# KiCad board analog_i.kicad_pcb (continued)
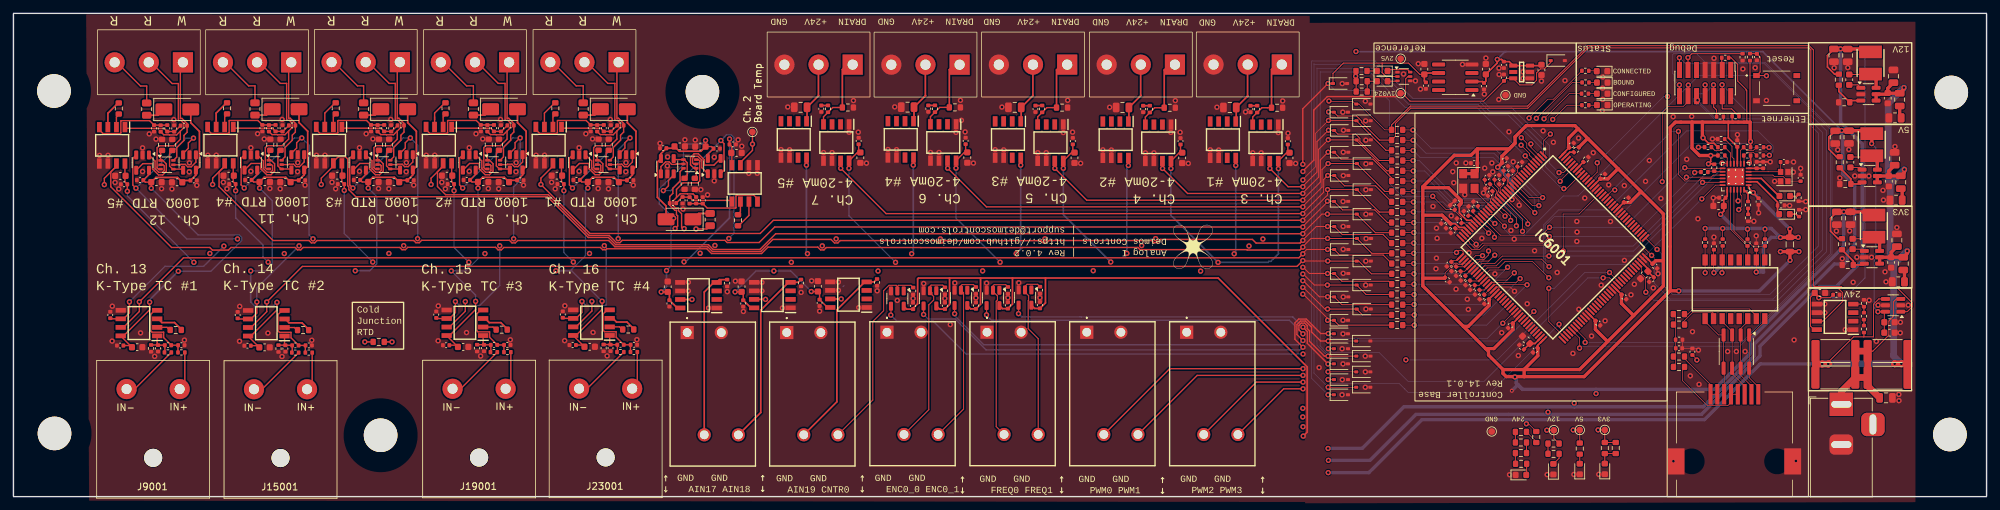
[diagram p0: board, top side]
## Placement (name value [footprint] x y rotation side) (continued)
R7005  33R  [R_0402_1005Metric]  252.12 52.08 0 top
R7006  10k  [R_0402_1005Metric]  254.1 52.07 0 top
R7007  33R  [R_0402_1005Metric]  251.59 48.37 180 top
R7008  1.5k  [R_0402_1005Metric]  254.11 50.83 180 top
R7009  10k  [R_0402_1005Metric]  253.05 49.01 270 top
R7010  10k  [R_0402_1005Metric]  254.08 53.29 0 top
R7011  49.9  [R_0402_1005Metric]  251.7 37.86 90 top
R7012  10k  [R_0402_1005Metric]  262.98 43.39 0 top
R7013  49.9  [R_0402_1005Metric]  254.3 37.86 90 top
R7014  12k  [R_0402_1005Metric]  258.08 43.46 90 top
R7015  1.5k  [R_0402_1005Metric]  265.68 42.23 270 top
R7016  49.9  [R_0402_1005Metric]  258 37.86 90 top
R7017  100R  [R_0402_1005Metric]  258.1 41.54 90 top
R7018  49.9  [R_0402_1005Metric]  260.6 37.86 90 top
R7019  10k  [R_0402_1005Metric]  265.6 44.52 270 top
R7020  75  [R_0603_1608Metric]  247.81 25.63 180 top
R7021  75  [R_0603_1608Metric]  247.79 27.19 0 top
R7022  75  [R_0603_1608Metric]  247.81 19.32 0 top
R7023  75  [R_0603_1608Metric]  247.8 20.87 180 top
R7024  1M  [R_0402_1005Metric]  247.81 23.38 0 top
R7025  10k  [R_0603_1608Metric]  224.29 6.49 0 top
R7026  10k  [R_0603_1608Metric]  224.29 8.06 180 top
R7027  10k  [R_0603_1608Metric]  229.15 7.9 0 top
R7028  10k  [R_0603_1608Metric]  224.29 9.64 0 top
R7029  10k  [R_0603_1608Metric]  200.57 63.42 180 top
R7030  10k  [R_0603_1608Metric]  200.6 61.9 180 top
R7031  10k  [R_0603_1608Metric]  236.77 7.24 90 top
R7032  10k  [R_0603_1608Metric]  233.05 7.15 90 top
R7033  10k  [R_0603_1608Metric]  224.32 4.89 180 top
R7034  10k  [R_0603_1608Metric]  229.15 6.37 180 top
R7035  10k  [R_0603_1608Metric]  200.6 60.35 180 top
R7036  10k  [R_0603_1608Metric]  238.4 7.24 90 top
R7037  10k  [R_0603_1608Metric]  226.58 8.88 90 top
R8001  MRF6432(2512)LR030FTS 0.030 1%  [R_2512_6332Metric]  271.07 17.75 0 top
R8002  MRF6432(2512)LR030FTS 0.030 1%  [R_2512_6332Metric]  278.85 21.67 180 top
R8003  MRF6432(2512)LR030FTS 0.030 1%  [R_2512_6332Metric]  271.08 21.67 0 top
R8004  MRF6432(2512)LR030FTS 0.030 1%  [R_2512_6332Metric]  278.85 17.72 180 top
R8005  1.5k  [R_0402_1005Metric]  275.33 28.81 270 top
R8006  10k  [R_0402_1005Metric]  275.33 24.97 90 top
R8007  10k  [R_0402_1005Metric]  275.33 26.89 270 top
R9001  10  [R_0402_1005Metric]  24.99 21.48 180 top
R9002  10  [R_0402_1005Metric]  22.98 21.48 0 top
R9003  1M  [R_0402_1005Metric]  20.48 22.09 270 top
R9005  RNCF0603TKY2K00 2k 0.01% 5ppm/C  [R_0603_1608Metric]  24.15 24.84 0 top
R10001  22.1k 0603  [R_0603_1608Metric]  272.92 34.52 180 top
R10002  51k 0603  [R_0603_1608Metric]  272.06 37.61 270 top
R10003  1R 0805  [R_0805_2012Metric]  280.45 32 180 top
R11001  200R  [R_0402_1005Metric]  185.05 57.75 270 top
R11002  RNCF0603TKY75R0 75R 0.01% 5ppm/C  [R_0603_1608Metric]  188.01 57.94 180 top
R11003  88.7k 0603  [R_0603_1608Metric]  271.73 49.82 270 top
R11004  22.1k 0603  [R_0603_1608Metric]  272.55 46.58 180 top
R11005  1R 0805  [R_0805_2012Metric]  280.1 44.17 180 top
R12001  243k 0603  [R_0603_1608Metric]  271.59 62.13 270 top
R12002  22.1k 0603  [R_0603_1608Metric]  272.39 58.75 180 top
R12003  1R 0805  [R_0805_2012Metric]  279.95 56.43 180 top
R13002  RNCF0603TKY2K00 2k 0.01% 5ppm/C  [R_0603_1608Metric]  64.28 57.86 90 top
R13003  300  [R_0805_2012Metric]  68.44 57.76 90 top
R13004  10k 1%  [C_0402_1005Metric]  70.52 54.88 270 top
R13005  10k 1%  [C_0402_1005Metric]  73.97 55.31 0 top
R13006  RNCF0603TKW10K0 10k 0.01% 5ppm/C  [R_0603_1608Metric]  70.72 52.44 90 top
R13007  100R 0402  [R_0402_1005Metric]  254.68 65.4 180 top
R13009  RNCF0603TKW10K0 10k 0.01% 5ppm/C  [R_0603_1608Metric]  72.23 52.44 90 top
R14001  200R  [R_0402_1005Metric]  169.08 57.75 270 top
R14002  RNCF0603TKY75R0 75R 0.01% 5ppm/C  [R_0603_1608Metric]  172.04 57.94 180 top
R15001  10  [R_0402_1005Metric]  43.94 21.46 180 top
R15002  10  [R_0402_1005Metric]  41.93 21.46 0 top
R15003  1M  [R_0402_1005Metric]  39.44 22.06 270 top
R15005  RNCF0603TKY2K00 2k 0.01% 5ppm/C  [R_0603_1608Metric]  43.1 24.81 0 top
R17002  RNCF0603TKY2K00 2k 0.01% 5ppm/C  [R_0603_1608Metric]  47.95 57.86 90 top
R17003  300  [R_0805_2012Metric]  52.1 57.76 90 top
R17004  10k 1%  [C_0402_1005Metric]  54.18 54.88 270 top
R17005  10k 1%  [C_0402_1005Metric]  57.63 55.31 0 top
R17006  RNCF0603TKW10K0 10k 0.01% 5ppm/C  [R_0603_1608Metric]  54.38 52.44 90 top
R17009  RNCF0603TKW10K0 10k 0.01% 5ppm/C  [R_0603_1608Metric]  55.9 52.44 90 top
R18001  200R  [R_0402_1005Metric]  153.06 57.77 270 top
R18002  RNCF0603TKY75R0 75R 0.01% 5ppm/C  [R_0603_1608Metric]  156.02 57.97 180 top
R19001  10  [R_0402_1005Metric]  73.49 21.53 180 top
R19002  10  [R_0402_1005Metric]  71.48 21.53 0 top
R19003  1M  [R_0402_1005Metric]  68.98 22.13 270 top
R19005  RNCF0603TKY2K00 2k 0.01% 5ppm/C  [R_0603_1608Metric]  72.65 24.88 0 top
R21002  RNCF0603TKY2K00 2k 0.01% 5ppm/C  [R_0603_1608Metric]  31.79 57.86 90 top
R21003  300  [R_0805_2012Metric]  35.94 57.76 90 top
R21004  10k 1%  [C_0402_1005Metric]  38.02 54.88 270 top
R21005  10k 1%  [C_0402_1005Metric]  41.47 55.31 0 top
R21006  RNCF0603TKW10K0 10k 0.01% 5ppm/C  [R_0603_1608Metric]  38.22 52.44 90 top
R21009  RNCF0603TKW10K0 10k 0.01% 5ppm/C  [R_0603_1608Metric]  39.73 52.44 90 top
R22001  200R  [R_0402_1005Metric]  137.11 57.8 270 top
R22002  RNCF0603TKY75R0 75R 0.01% 5ppm/C  [R_0603_1608Metric]  140.07 58 180 top
R23001  10  [R_0402_1005Metric]  92.31 21.55 180 top
R23002  10  [R_0402_1005Metric]  90.31 21.55 0 top
R23003  1M  [R_0402_1005Metric]  87.81 22.15 270 top
R23005  RNCF0603TKY2K00 2k 0.01% 5ppm/C  [R_0603_1608Metric]  91.47 24.9 0 top
R25002  RNCF0603TKY2K00 2k 0.01% 5ppm/C  [R_0603_1608Metric]  15.68 57.83 90 top
R25003  300  [R_0805_2012Metric]  19.82 57.74 90 top
R25004  10k 1%  [C_0402_1005Metric]  21.91 54.86 270 top
R25005  10k 1%  [C_0402_1005Metric]  25.36 55.28 0 top
R25006  RNCF0603TKW10K0 10k 0.01% 5ppm/C  [R_0603_1608Metric]  22.11 52.41 90 top
R25009  RNCF0603TKW10K0 10k 0.01% 5ppm/C  [R_0603_1608Metric]  23.62 52.41 90 top
R26001  200R  [R_0402_1005Metric]  121.2 57.78 270 top
R26002  RNCF0603TKY75R0 75R 0.01% 5ppm/C  [R_0603_1608Metric]  124.16 57.98 180 top
S6001  TS-1187A-B-A-B  [TS1187ABAB]  262.34 60.86 0 top
T7001  H1102NLT  [SOIC127P940X622-16N]  256.13 30.89 270 top
TP3001  TP_Board_Temp  [TestPoint_Pad_D1.0mm]  109.94 54.34 90 top
TP7001  TestPoint_+12V  [TestPoint_Pad_D1.0mm]  229.2 9.9 90 top
TP7002  TestPoint_+5V  [TestPoint_Pad_D1.0mm]  233.05 9.92 0 top
TP7003  TestPoint_+2V5  [TestPoint_Pad_D1.0mm]  206.4 65.25 0 top
TP7004  TestPoint_+3V3  [TestPoint_Pad_D1.0mm]  236.77 9.94 90 top
TP7005  TestPoint_+1V024  [TestPoint_Pad_D1.0mm]  206.39 60.1 0 top
TP7006  TestPoint_GND  [TestPoint_Pad_D1.0mm]  219.95 9.7 0 top
TP8002  TestPoint_GND_1  [TestPoint_Pad_D1.0mm]  222 59.82 0 top
U3001  74LVC1G17  [SOT-23-5]  140.97 29.61 270 top
U3002  74LVC1G17  [SOT-23-5]  136.36 29.54 270 top
U3003  74LVC1G17  [SOT-23-5]  150.5 29.66 270 top
U3004  74LVC1G17  [SOT-23-5]  145.74 29.6 270 top
U3005  74LVC1G17  [SOT-23-5]  131.51 29.51 270 top
U4001  NTJD4001NT1G  [SOT-363_SC-70-6]  100.64 49.57 180 top
U5001  NTJD4001NT1G  [SOT-363_SC-70-6]  87.8 49.47 0 top
U6002  ADR4525  [SOIC-8_3.9x4.9mm_P1.27mm]  214.52 62.48 180 top
U7001  LAN8742A  [VQFN-24-1EP_4x4mm_P0.5mm_EP2.5x2.5mm_ThermalVias]  256.23 47.66 180 top
U7003  NTJD4001NT1G  [SOT-363_SC-70-6]  206.87 62.6 0 top
U8001  INA181A2  [SOT-23-6]  279.67 28.5 180 top
U13001  NTJD4001NT1G  [SOT-363_SC-70-6]  71.45 49.47 0 top
U17001  NTJD4001NT1G  [SOT-363_SC-70-6]  55.12 49.47 0 top
U21001  NTJD4001NT1G  [SOT-363_SC-70-6]  38.95 49.47 0 top
U25001  NTJD4001NT1G  [SOT-363_SC-70-6]  22.84 49.44 0 top
Y6001  SiT1602BI-21-33S-48.000000  [Crystal_SMD_3225-4Pin_3.2x2.5mm]  216.55 47.02 270 top
Y7001  NX2016SA-25.000M-STD-CZS-1  [Crystal_SMD_2016-4Pin_2.0x1.6mm]  263.48 47.68 90 top

## Library data of the parts
C3001-C3011 C4001-C4007 C4010 C4011 C5001-C5012 C6021 C6022 C6024 C6026-C6041 C6043 C6048-C6051 C7005-C7012 C8001 C8002 C8005 C8006 C9001-C9006 C11002 C11003 C13001-C13007 C13010 C13011 C14002 C14003 C15001-C15006 C17001-C17007 C17010 C17011 C18002 C18003 C19001-C19006 C21001-C21007 C21010 C21011 C22002 C22003 C23001-C23006 C25001-C25007 C25010 C25011 C26002 C26003 = -: ki_fp_filters: C_*
C6001-C6020 C7004 = -: LCSC: C52923; ki_fp_filters: C_*
C6023 C6025 C11001 C14001 C18001 C22001 C26001 = -: LCSC: C15195; ki_fp_filters: C_*
C7001 C7002 = -: LCSC: C258497; ki_fp_filters: C_*
C7003 = -: LCSC: C363540; ki_fp_filters: C_*
C8003 C10002-C10004 C11005 C11006 C11011 C12002 C12003 C12008 C17008 C20001 C24001 C28001 C32001 = -: LCSC: C440198; ki_fp_filters: C_*
C10001 C10005 C11004 C11009 C12001 C12006 = -: Description: Unpolarized capacitor, small symbol; LCSC: C14663; ki_fp_filters: C_*
C10006 C11010 C12007 = -: LCSC: C377773; ki_fp_filters: C_*
D1001-D1028 D2001-D2003 = -: LCSC: C5184420; ki_fp_filters: TO-???* *_Diode_* *SingleDiode* D_*
D4001 D5001 D13001 D17001 D21001 D25001 = -: LCSC: C22452; ki_fp_filters: TO-???* *_Diode_* *SingleDiode* D_*
D6001-D6004 D7001 D7002 D7004-D7009 = -: LCSC: C7371898; ki_fp_filters: LED* LED_SMD:* LED_THT:*
D7003 = -: Datasheet: https://www.bourns.com/pdfs/CDNBS08-SLVU28-4.pdf; ki_fp_filters: SOIC*3.9x4.9mm*P1.27mm*
FB7001 = -: LCSC: C1017; ki_fp_filters: Inductor_* L_* *Ferrite*
H2001 H2002 H3001-H3004 = -: ki_fp_filters: MountingHole*
IC3001-IC3003 IC4001 IC5001 IC8001 IC9001 IC11001 IC13001 IC14001 IC15001 IC17001 IC18001 IC19001 IC21001 IC22001 IC23001 IC25001 IC26001 = -: Datasheet: http://www.ti.com/lit/gpn/ina826; Description: Precision, 200-uA Supply Current, 36-V Supply Instrumentation Amplifier; Height: 1.75; Manufacturer_Name: Texas Instruments; Mouser Part Number: 595-INA826AIDR; Mouser Price/Stock: https://www.mouser.co.uk/ProductDetail/Texas-Instruments/INA826AIDR?qs=RqytGdBYyUFuQNJtlkA6aQ%3D%3D; Arrow Price/Stock: https://www.arrow.com/en/products/ina826aidr/texas-instruments?region=nac; LCSC: C38433
IC4002 IC4003 IC5002 IC5003 IC13002 IC13003 IC17002 IC17003 IC21002 IC21003 IC25002 IC25003 = -: Datasheet: http://www.ti.com/lit/gpn/tlv333; Description: 350 kHz, Low-Noise, RRIO, CMOS Operational Amplifier for Cost-Sensitive Systems; Height: 1.45; Manufacturer_Name: Texas Instruments; Mouser Part Number: 595-TLV333IDBVR; Mouser Price/Stock: https://www.mouser.co.uk/ProductDetail/Texas-Instruments/TLV333IDBVR?qs=n%252BTO0c4TDSbTbn2suQLlAQ%3D%3D; Arrow Price/Stock: https://www.arrow.com/en/products/tlv333idbvr/texas-instruments
IC5004 = -: Datasheet: https://www.ti.com/lit/ds/symlink/ref35.pdf; Description: Voltage References 650-nA quiescent current, 12-ppm/C drift, ultra-low-power precision voltage reference; Height: 1.45; Manufacturer_Name: Texas Instruments; Mouser Part Number: 595-REF35102QDBVR; Mouser Price/Stock: https://www.mouser.co.uk/ProductDetail/Texas-Instruments/REF35102QDBVR?qs=rQFj71Wb1eWXaO82zju2Vg%3D%3D; Arrow Price/Stock: https://www.arrow.com/en/products/ref35102qdbvr/texas-instruments?region=nac
IC6001 = -: Datasheet: https://www.mouser.cn/datasheet/2/389/stm32h723zg-1893346.pdf; Height: 1.6; Manufacturer_Name: STMicroelectronics; LCSC: C114408
IC10001 IC11002 IC12001 = -: Datasheet: http://www.ti.com/lit/gpn/tps560430; Description: SIMPLE SWITCHER 36-V, 600-mA Buck Regulator With High-Efficiency Sleep Mode; Height: 1.45; Manufacturer_Name: Texas Instruments; Mouser Part Number: 595-TPS560430XDBVR; Mouser Price/Stock: https://www.mouser.co.uk/ProductDetail/Texas-Instruments/TPS560430XDBVR?qs=%252BEew9%252B0nqrDFUDwUxL0Ntw%3D%3D; Arrow Price/Stock: https://www.arrow.com/en/products/tps560430xdbvr/texas-instruments?region=nac
IC17004 IC20001 IC24001 IC28001 IC32001 = -: Datasheet: https://4donline.ihs.com/images/VipMasterIC/IC/ROHM/ROHM-S-A0002355662/ROHM-S-A0002355662-1.pdf?hkey=EF798316E3902B6ED9A73243A3159BB0; Description: Supervisory Circuits 3-42V SOP-J8 12A LDO Regulator; Height: 1.65; Manufacturer_Name: ROHM Semiconductor; Mouser Part Number: 755-BD42540FJ-CE2; Mouser Price/Stock: https://www.mouser.co.uk/ProductDetail/ROHM-Semiconductor/BD42540FJ-CE2?qs=zGux8KhMp6JowApuEUgCTw%3D%3D; LCSC: C308591
J3001-J3006 = -: LCSC: C91148; ki_fp_filters: TerminalBlock*:*
J6001 = -: LCSC: C3975190; ki_fp_filters: Connector*:*_2x??_*
J7001 = -: Datasheet: https://www.te.com/commerce/DocumentDelivery/DDEController?Action=showdoc&DocId=Customer+Drawing%7F6339160%7FE%7Fpdf%7FEnglish%7FENG_CD_6339160_E_6339160-c_drw.pdf%7F6339160-1; Description: Cat5 modular RJ45 jack, 8/8,SMT,shielded; Height: 13.72; Manufacturer_Name: TE Connectivity; Mouser Part Number: 571-6339160-1; Mouser Price/Stock: https://www.mouser.co.uk/ProductDetail/TE-Connectivity/6339160-1?qs=Il0cmQ4mt8K1Qlv3V6xMcA%3D%3D; Arrow Price/Stock: https://www.arrow.com/en/products/6339160-1/te-connectivity?region=nac; LCSC: C125076
J8001 = -: LCSC: C3094841; ki_fp_filters: BarrelJack*
J9001 J15001 J19001 J23001 = -: LCSC: C9900157061; ki_fp_filters: Connector*:*_1x??_*
J10001 J11001 J12001 J14001 J16001 J18001 J20001 J22001 J24001 J26001 = -: LCSC: C8270; ki_fp_filters: TerminalBlock*:*
L10001 = -: Description: Inductor; LCSC: C167880; ki_fp_filters: Choke_* *Coil* Inductor_* L_*
L11001 = -: Description: Inductor; LCSC: C167882; ki_fp_filters: Choke_* *Coil* Inductor_* L_*
L12001 = -: Description: Inductor; LCSC: C167840; ki_fp_filters: Choke_* *Coil* Inductor_* L_*
R3001 = -: Description: Resistor, small US symbol; LCSC: C141518; ki_fp_filters: R_*
R3002-R3009 R4003-R4005 R5003-R5005 R9003 R13003-R13005 R15003 R17003-R17005 R19003 R21003-R21005 R23003 R25003-R25005 = -: ki_fp_filters: R_*
R4002 R5002 R9005 R13002 R15005 R17002 R19005 R21002 R23005 R25002 = -: LCSC: C346578; ki_fp_filters: R_*
R4006 R4009 R5006 R5009 R13006 R13009 R17006 R17009 R21006 R21009 R25006 R25009 = -: LCSC: C2482678; ki_fp_filters: R_*
R6001-R6020 = -: Description: Resistor, small symbol; LCSC: C22859; ki_fp_filters: R_*
R6021 R6022 R6028-R6030 R7002 R7004 R7006 R7009 R7010 R7012 R7019 R8006 R8007 = -: Description: Resistor, small symbol; LCSC: C25744; ki_fp_filters: R_*
R6023 R6025-R6027 = -: GNUM: G11-R0402-3300-AAA; LCSC: C25744
R6024 R7017 R13007 = -: Description: Resistor, small symbol; LCSC: C25076; ki_fp_filters: R_*
R7001 R7003 R7005 R7007 = -: Description: Resistor, small symbol; LCSC: C25105; ki_fp_filters: R_*
R7008 R7015 R8005 = -: Description: Resistor, small symbol; LCSC: C25867; ki_fp_filters: R_*
R7011 R7013 R7016 R7018 = -: GNUM: G11-R0402-3300-AAA; LCSC: C25120
R7014 = -: Description: Resistor, small symbol; LCSC: C25752; ki_fp_filters: R_*
R7020-R7023 = -: GNUM: G11-R0402-3300-AAA; LCSC: C23242
R7024 = -: GNUM: G11-R0402-3300-AAA; LCSC: C26083
R7025-R7037 = -: Description: Resistor, small symbol; LCSC: C25804; ki_fp_filters: R_*
R8001-R8004 = -: Description: Resistor, small symbol; LCSC: C76247; ki_fp_filters: R_*
R9001 R15001 R19001 R23001 = -: LCSC: C25077; ki_fp_filters: R_*
R9002 R15002 R19002 R23002 = -: Datasheet: C25077; ki_fp_filters: R_*
R10001 R11004 R12002 = -: Description: Resistor, small symbol; LCSC: C25961; ki_fp_filters: R_*
R10002 = -: Description: Resistor, small symbol; LCSC: C23196; ki_fp_filters: R_*
R10003 R11005 R12003 = -: Description: Resistor, small symbol; LCSC: C25271; ki_fp_filters: R_*
R11001 R14001 R18001 R22001 R26001 = -: LCSC: C25087; ki_fp_filters: R_*
R11002 R14002 R18002 R22002 R26002 = -: LCSC: C2482496; ki_fp_filters: R_*
R11003 = -: Description: Resistor, small symbol; LCSC: C203875; ki_fp_filters: R_*
R12001 = -: Description: Resistor, small symbol; LCSC: C23351; ki_fp_filters: R_*
S6001 = -: Datasheet: http://www.helloxkb.com/public/images/pdf/TS-1187A-X-X-X.pdf; Description: tact switch 4x4X1.5 patch 160GF metal head waterproof; Height: 4.05; Manufacturer_Name: XKB Connectivity; LCSC: C318884
T7001 = -: Datasheet: https://productfinder.pulseeng.com/products/datasheets/H1102NL.pdf; Description: Audio Transformers / Signal Transformers 100BaseTX SMD NonPoE 350uH .65Ohms 1-Port; Height: 6.22; Manufacturer_Name: Pulse; Mouser Part Number: 673-H1102NLT; Mouser Price/Stock: https://www.mouser.co.uk/ProductDetail/Pulse-Electronics/H1102NLT?qs=EKu32SdDin8JhhqpR7K10Q%3D%3D; Arrow Price/Stock: https://www.arrow.com/en/products/h1102nlt/pulse-electronics-corporation?region=nac; LCSC: C18584
TP3001 TP7001-TP7006 TP8002 = -: ki_fp_filters: Pin* Test*
U3001-U3005 = -: Datasheet: https://www.ti.com/lit/ds/symlink/sn74lvc1g17.pdf; Description: Single Schmitt Buffer Gate, Low-Voltage CMOS; LCSC: C7836; ki_fp_filters: SOT?23* SOT?553* Texas?R-PDSO-G5?DCK* Texas?R-PDSO-N5?DRL* Texas?X2SON*0.8x0.8mm*P0.48mm*
U4001 U5001 U7003 U13001 U17001 U21001 U25001 = -: LCSC: C190019
U6002 = -: Datasheet: https://www.analog.com/media/en/technical-documentation/data-sheets/ADR4520_4525_4530_4533_4540_4550.pdf; LCSC: C403914; ki_fp_filters: SOIC*3.9x4.9mm*P1.27mm*
U7001 = -: Datasheet: http://ww1.microchip.com/downloads/en/DeviceDoc/8742a.pdf; ki_fp_filters: VQFN*1EP*4x4mm*P0.5mm*
U8001 = -: Datasheet: http://www.ti.com/lit/ds/symlink/ina181.pdf; LCSC: C2058784; ki_fp_filters: SOT?23*
Y6001 = -: Datasheet: https://www.sitime.com/support/resource-library/datasheets/sit1602-datasheet; Manufacturer_Name: SiTime; Manufacturer_Part_Number: SiT1602AI-82-33E-48.000000; LCSC: C1198900
Y7001 = -: Datasheet: https://datasheet.datasheetarchive.com/originals/distributors/DKDS-17/332064.pdf; Manufacturer_Name: NDK; Mouser Part Number: 344-NX2016SA25MSTZS1; Mouser Price/Stock: https://www.mouser.co.uk/ProductDetail/NDK/NX2016SA-25.000M-STD-CZS-1?qs=w%2Fv1CP2dgqozB742%252BoULZA%3D%3D; LCSC: C843258

## Footprints (pads in the part's own frame, mm; a bottom-side part is the same pattern mirrored in y, then rotated)
1725038
  rect 1.95x1.95 hole 1.3: 1(0,0)
  round 1.95 hole 1.3: 2(5.08,0) 3(2.54,-15.24) 4(7.62,-15.24)
63391601
  round 0.001 hole 3.33 unplated: (-6.35,-2.53) (6.35,-2.53)
  rect 0.61x3.05 smd: 1(3.556,7.47) 2(2.54,7.47) 3(1.524,7.47) 4(0.508,7.47) 5(-0.508,7.47) 6(-1.524,7.47) 7(-2.54,7.47) 8(-3.556,7.47)
  rect 2.5x3.9 smd: 9(-8.67,-2.53) 10(8.67,-2.53)
AM-K-PCB
  round 2.7 hole 2.7 unplated: (0,-4)
  round 3 hole 1.5: 1(3.95,-14.25) 2(-3.95,-14.25)
BarrelJack_Horizontal
  rect 3.5x3.5 hole 1x3: 1(0,0)
  rrect 3x3.5 hole 1x3: 2(-6,0)
  rrect 3.5x3.5 hole 3x1: 3(-3,-4.7)
C_0402_1005Metric
  rrect 0.56x0.62 smd: 1(-0.48,0) 2(0.48,0)
C_0603_1608Metric
  rrect 0.9x0.95 smd: 1(-0.775,0) 2(0.775,0)
C_0805_2012Metric
  rrect 1x1.45 smd: 1(-0.95,0) 2(0.95,0)
Crystal_SMD_2016-4Pin_2.0x1.6mm
  rect 0.9x0.8 smd: 1(-0.7,-0.55) 2(0.7,-0.55) 3(0.7,0.55) 4(-0.7,0.55)
Crystal_SMD_3225-4Pin_3.2x2.5mm
  rect 1.4x1.2 smd: 1(-1.1,-0.85) 2(1.1,-0.85) 3(1.1,0.85) 4(-1.1,0.85)
D_SMA
  rrect 2.5x1.8 smd: 1(-2,0) 2(2,0)
D_SOD-323
  rrect 0.6x0.45 smd: 1(-1.05,0) 2(1.05,0)
INDPM4040X300N
  rect 1.9x3.4 smd: 1(-1.65,0) 2(1.65,0)
L_0805_2012Metric
  rrect 0.875x1.2 smd: 1(-1.062,0) 2(1.062,0)
LED_0603_1608Metric
  rrect 0.875x0.95 smd: 1(-0.787,0) 2(0.787,0)
MountingHole_5mm
  round 5 hole 5 unplated: (0,0)
PinHeader_2x07_P1.27mm_Vertical_SMD
  rect 2.4x0.74 smd: 1(-1.95,3.81) 2(1.95,3.81) 3(-1.95,2.54) 4(1.95,2.54) 5(-1.95,1.27) 6(1.95,1.27) 7(-1.95,0) 8(1.95,0) 9(-1.95,-1.27) 10(1.95,-1.27) 11(-1.95,-2.54) 12(1.95,-2.54) 13(-1.95,-3.81) 14(1.95,-3.81)
QFP50P2200X2200X160-144N
  rect 1.475x0.3 smd: 1(-10.738,8.75) 2(-10.738,8.25) 3(-10.738,7.75) 4(-10.738,7.25) 5(-10.738,6.75) 6(-10.738,6.25) 7(-10.738,5.75) 8(-10.738,5.25) 9(-10.738,4.75) 10(-10.738,4.25) 11(-10.738,3.75) 12(-10.738,3.25) 13(-10.738,2.75) 14(-10.738,2.25) 15(-10.738,1.75) 16(-10.738,1.25) 17(-10.738,0.75) 18(-10.738,0.25) 19(-10.738,-0.25) 20(-10.738,-0.75) 21(-10.738,-1.25) 22(-10.738,-1.75) 23(-10.738,-2.25) 24(-10.738,-2.75) 25(-10.738,-3.25) 26(-10.738,-3.75) 27(-10.738,-4.25) 28(-10.738,-4.75) 29(-10.738,-5.25) 30(-10.738,-5.75) 31(-10.738,-6.25) 32(-10.738,-6.75) 33(-10.738,-7.25) 34(-10.738,-7.75) 35(-10.738,-8.25) 36(-10.738,-8.75) 73(10.738,-8.75) 74(10.738,-8.25) 75(10.738,-7.75) 76(10.738,-7.25) 77(10.738,-6.75) 78(10.738,-6.25) 79(10.738,-5.75) 80(10.738,-5.25) 81(10.738,-4.75) 82(10.738,-4.25) 83(10.738,-3.75) 84(10.738,-3.25) 85(10.738,-2.75) 86(10.738,-2.25) 87(10.738,-1.75) 88(10.738,-1.25) 89(10.738,-0.75) 90(10.738,-0.25) 91(10.738,0.25) 92(10.738,0.75) 93(10.738,1.25) 94(10.738,1.75) 95(10.738,2.25) 96(10.738,2.75) 97(10.738,3.25) 98(10.738,3.75) 99(10.738,4.25) 100(10.738,4.75) 101(10.738,5.25) 102(10.738,5.75) 103(10.738,6.25) 104(10.738,6.75) 105(10.738,7.25) 106(10.738,7.75) 107(10.738,8.25) 108(10.738,8.75)
  rect 0.3x1.475 smd: 37(-8.75,-10.738) 38(-8.25,-10.738) 39(-7.75,-10.738) 40(-7.25,-10.738) 41(-6.75,-10.738) 42(-6.25,-10.738) 43(-5.75,-10.738) 44(-5.25,-10.738) 45(-4.75,-10.738) 46(-4.25,-10.738) 47(-3.75,-10.738) 48(-3.25,-10.738) 49(-2.75,-10.738) 50(-2.25,-10.738) 51(-1.75,-10.738) 52(-1.25,-10.738) 53(-0.75,-10.738) 54(-0.25,-10.738) 55(0.25,-10.738) 56(0.75,-10.738) 57(1.25,-10.738) 58(1.75,-10.738) 59(2.25,-10.738) 60(2.75,-10.738) 61(3.25,-10.738) 62(3.75,-10.738) 63(4.25,-10.738) 64(4.75,-10.738) 65(5.25,-10.738) 66(5.75,-10.738) 67(6.25,-10.738) 68(6.75,-10.738) 69(7.25,-10.738) 70(7.75,-10.738) 71(8.25,-10.738) 72(8.75,-10.738) 109(8.75,10.738) 110(8.25,10.738) 111(7.75,10.738) 112(7.25,10.738) 113(6.75,10.738) 114(6.25,10.738) 115(5.75,10.738) 116(5.25,10.738) 117(4.75,10.738) 118(4.25,10.738) 119(3.75,10.738) 120(3.25,10.738) 121(2.75,10.738) 122(2.25,10.738) 123(1.75,10.738) 124(1.25,10.738) 125(0.75,10.738) 126(0.25,10.738) 127(-0.25,10.738) 128(-0.75,10.738) 129(-1.25,10.738) 130(-1.75,10.738) 131(-2.25,10.738) 132(-2.75,10.738) 133(-3.25,10.738) 134(-3.75,10.738) 135(-4.25,10.738) 136(-4.75,10.738) 137(-5.25,10.738) 138(-5.75,10.738) 139(-6.25,10.738) 140(-6.75,10.738) 141(-7.25,10.738) 142(-7.75,10.738) 143(-8.25,10.738) 144(-8.75,10.738)
R_0402_1005Metric
  rrect 0.54x0.64 smd: 1(-0.51,0) 2(0.51,0)
R_0603_1608Metric
  rrect 0.8x0.95 smd: 1(-0.825,0) 2(0.825,0)
R_0805_2012Metric
  rrect 1.025x1.4 smd: 1(-0.912,0) 2(0.912,0)
R_2512_6332Metric
  rrect 1.225x3.35 smd: 1(-2.962,0) 2(2.962,0)
Screw_Terminal_3_P5.08mm
  rect 3x3 hole 1.52: 1(0,0)
  round 3 hole 1.52: 2(5.08,0) 3(10.16,0)
SOIC127P600X175-8N
  rect 1.525x0.7 smd: 1(-2.712,1.905) 2(-2.712,0.635) 3(-2.712,-0.635) 4(-2.712,-1.905) 5(2.712,-1.905) 6(2.712,-0.635) 7(2.712,0.635) 8(2.712,1.905)
SOIC127P940X622-16N
  rect 1.645x0.8 smd: 1(-4.378,4.445) 2(-4.378,3.175) 3(-4.378,1.905) 4(-4.378,0.635) 5(-4.378,-0.635) 6(-4.378,-1.905) 7(-4.378,-3.175) 8(-4.378,-4.445) 9(4.378,-4.445) 10(4.378,-3.175) 11(4.378,-1.905) 12(4.378,-0.635) 13(4.378,0.635) 14(4.378,1.905) 15(4.378,3.175) 16(4.378,4.445)
SOIC-8_3.9x4.9mm_P1.27mm
  rrect 1.95x0.6 smd: 1(-2.475,1.905) 2(-2.475,0.635) 3(-2.475,-0.635) 4(-2.475,-1.905) 5(2.475,-1.905) 6(2.475,-0.635) 7(2.475,0.635) 8(2.475,1.905)
SOT95P280X145-6N
  rect 1.2x0.6 smd: 1(-1.25,0.95) 2(-1.25,0) 3(-1.25,-0.95) 4(1.25,-0.95) 5(1.25,0) 6(1.25,0.95)
SOT-23-5
  rrect 1.325x0.6 smd: 1(-1.137,0.95) 2(-1.137,0) 3(-1.137,-0.95) 4(1.137,-0.95) 5(1.137,0.95)
SOT-23-6
  rrect 1.325x0.6 smd: 1(-1.137,0.95) 2(-1.137,0) 3(-1.137,-0.95) 4(1.137,-0.95) 5(1.137,0) 6(1.137,0.95)
SOT-363_SC-70-6
  rrect 0.65x0.4 smd: 1(-0.95,0.65) 2(-0.95,0) 3(-0.95,-0.65) 4(0.95,-0.65) 5(0.95,0) 6(0.95,0.65)
TestPoint_Pad_D1.0mm
  round 1 smd: 1(0,0)
TS1187ABAB
  rect 1x0.75 smd: A1(-3,1.875) B1(3,1.875) C1(-3,-1.875) D1(3,-1.875)
VQFN-24-1EP_4x4mm_P0.5mm_EP2.5x2.5mm_ThermalVias
  custom 0.927x0.927 smd: (-0.57,0.57) (-0.57,-0.57) (0.57,0.57) (0.57,-0.57)
  rrect 0.875x0.25 smd: 1(-1.938,1.25) 2(-1.938,0.75) 3(-1.938,0.25) 4(-1.938,-0.25) 5(-1.938,-0.75) 6(-1.938,-1.25) 13(1.938,-1.25) 14(1.938,-0.75) 15(1.938,-0.25) 16(1.938,0.25) 17(1.938,0.75) 18(1.938,1.25)
  rrect 0.25x0.875 smd: 7(-1.25,-1.938) 8(-0.75,-1.938) 9(-0.25,-1.938) 10(0.25,-1.938) 11(0.75,-1.938) 12(1.25,-1.938) 19(1.25,1.938) 20(0.75,1.938) 21(0.25,1.938) 22(-0.25,1.938) 23(-0.75,1.938) 24(-1.25,1.938)
  round 0.5 hole 0.2: 25(-1,1) 25(-1,0) 25(-1,-1) 25(0,1) 25(0,0) 25(0,-1) 25(1,1) 25(1,0) 25(1,-1)
  rect 2.5x2.5 smd: 25(0,0)
  rect 2.5x2.5 smd far side: 25(0,0)

## Nets
+1V024: C5008.2 C9006.2 C15006.2 C19006.2 C23006.2 D2003.1 IC5004.6 IC9001.6 IC15001.6 IC19001.6 IC23001.6 TP7005.1 U7003.5
+2V5: C6023.2 C6024.2 C6050.2 C6051.2 D1028.1 IC4002.3 IC4003.3 IC5002.3 IC5003.3 IC6001.32 IC13002.3 IC13003.3 IC17002.3 IC17003.3 IC21002.3 IC21003.3 IC25002.3 IC25003.3 TP7003.1 U6002.6 U7003.2
+3V3: C3007.2 C3008.2 C3009.2 C3010.2 C3011.2 C6021.2 C6022.2 C6025.2 C6026.2 C6028.2 C6029.2 C6030.2 C6031.2 C6032.2 C6033.2 C6036.2 C6037.2 C6038.2 C6039.2 C6043.2 C7005.2 C10003.1 C10006.1 FB7001.1 IC6001.17 IC6001.30 IC6001.33 IC6001.39 IC6001.52 IC6001.62 IC6001.72 IC6001.84 IC6001.95 IC6001.108 IC6001.121 IC6001.131 IC6001.144 L10001.1 R6021.1 R6028.1 R6029.2 R6030.2 R7002.1 R7004.1 R7006.1 R7008.2 R7009.1 R7031.2 R7036.2 R10002.1 R13007.1 TP7004.1 U3001.5 U3002.5 U3003.5 U3004.5 U3005.5 U7001.9 Y6001.1 Y6001.4
+5V: C3001.2 C3002.2 C3003.2 C3004.2 C3005.2 C3006.2 C4006.2 C4007.1 C4010.1 C4011.2 C5006.2 C5007.1 C5009.2 C5010.1 C5011.2 C5012.2 C6048.2 C6049.2 C8001.1 C8002.1 C9004.1 C9005.2 C11010.1 C11011.1 C13006.2 C13007.1 C13010.1 C13011.2 C15004.1 C15005.2 C17006.2 C17007.1 C17010.1 C17011.2 C19004.1 C19005.2 C21006.2 C21007.1 C21010.1 C21011.2 C23004.1 C23005.2 C25006.2 C25007.1 C25010.1 C25011.2 D4001.2 D5001.2 D13001.2 D17001.2 D21001.2 D25001.2 IC3001.8 IC3002.8 IC3003.8 IC4002.5 IC4003.5 IC5002.5 IC5003.5 IC5004.3 IC5004.4 IC9001.8 IC13002.5 IC13003.5 IC15001.8 IC17002.5 IC17003.5 IC19001.8 IC21002.5 IC21003.5 IC23001.8 IC25002.5 IC25003.5 L11001.1 R7029.2 R7030.2 R7032.2 R7035.2 R11003.1 TP7002.1 U6002.2 U8001.6
+12V: C4004.1 C4005.2 C5004.1 C5005.2 C8005.2 C8006.2 C11002.2 C11003.2 C12007.1 C12008.1 C13004.1 C13005.2 C14002.2 C14003.2 C17004.1 C17005.2 C18002.2 C18003.2 C21004.1 C21005.2 C22002.2 C22003.2 C25004.1 C25005.2 C26002.2 C26003.2 IC4001.8 IC5001.8 IC8001.8 IC11001.8 IC13001.8 IC14001.8 IC17001.8 IC18001.8 IC21001.8 IC22001.8 IC25001.8 IC26001.8 L12001.1 R7027.2 R12001.1 TP7001.1
+24V: C10002.1 C10004.1 C10005.1 C11004.1 C11005.1 C11006.1 C12001.1 C12002.1 C12003.1 IC10001.4 IC10001.5 IC11002.4 IC11002.5 IC12001.4 IC12001.5 IC17004.8 IC20001.8 IC24001.8 IC28001.8 IC32001.8 R7037.2 R8001.1 R8002.1 R8003.1 R8004.1 R8006.1 U8001.4
